# Altium PCB Inverter_540VDC.PcbDoc (part 1 of 2)
Units mm, origin at the board's own origin, x right, y up, seen from the top; angles counter-clockwise.
Board outline 400.26 x 240.24 mm, 2 copper layers (Top Layer, Bottom Layer), stack 2.071 mm thick; 193 components, 91 nets, 517 pads, 367 vias.
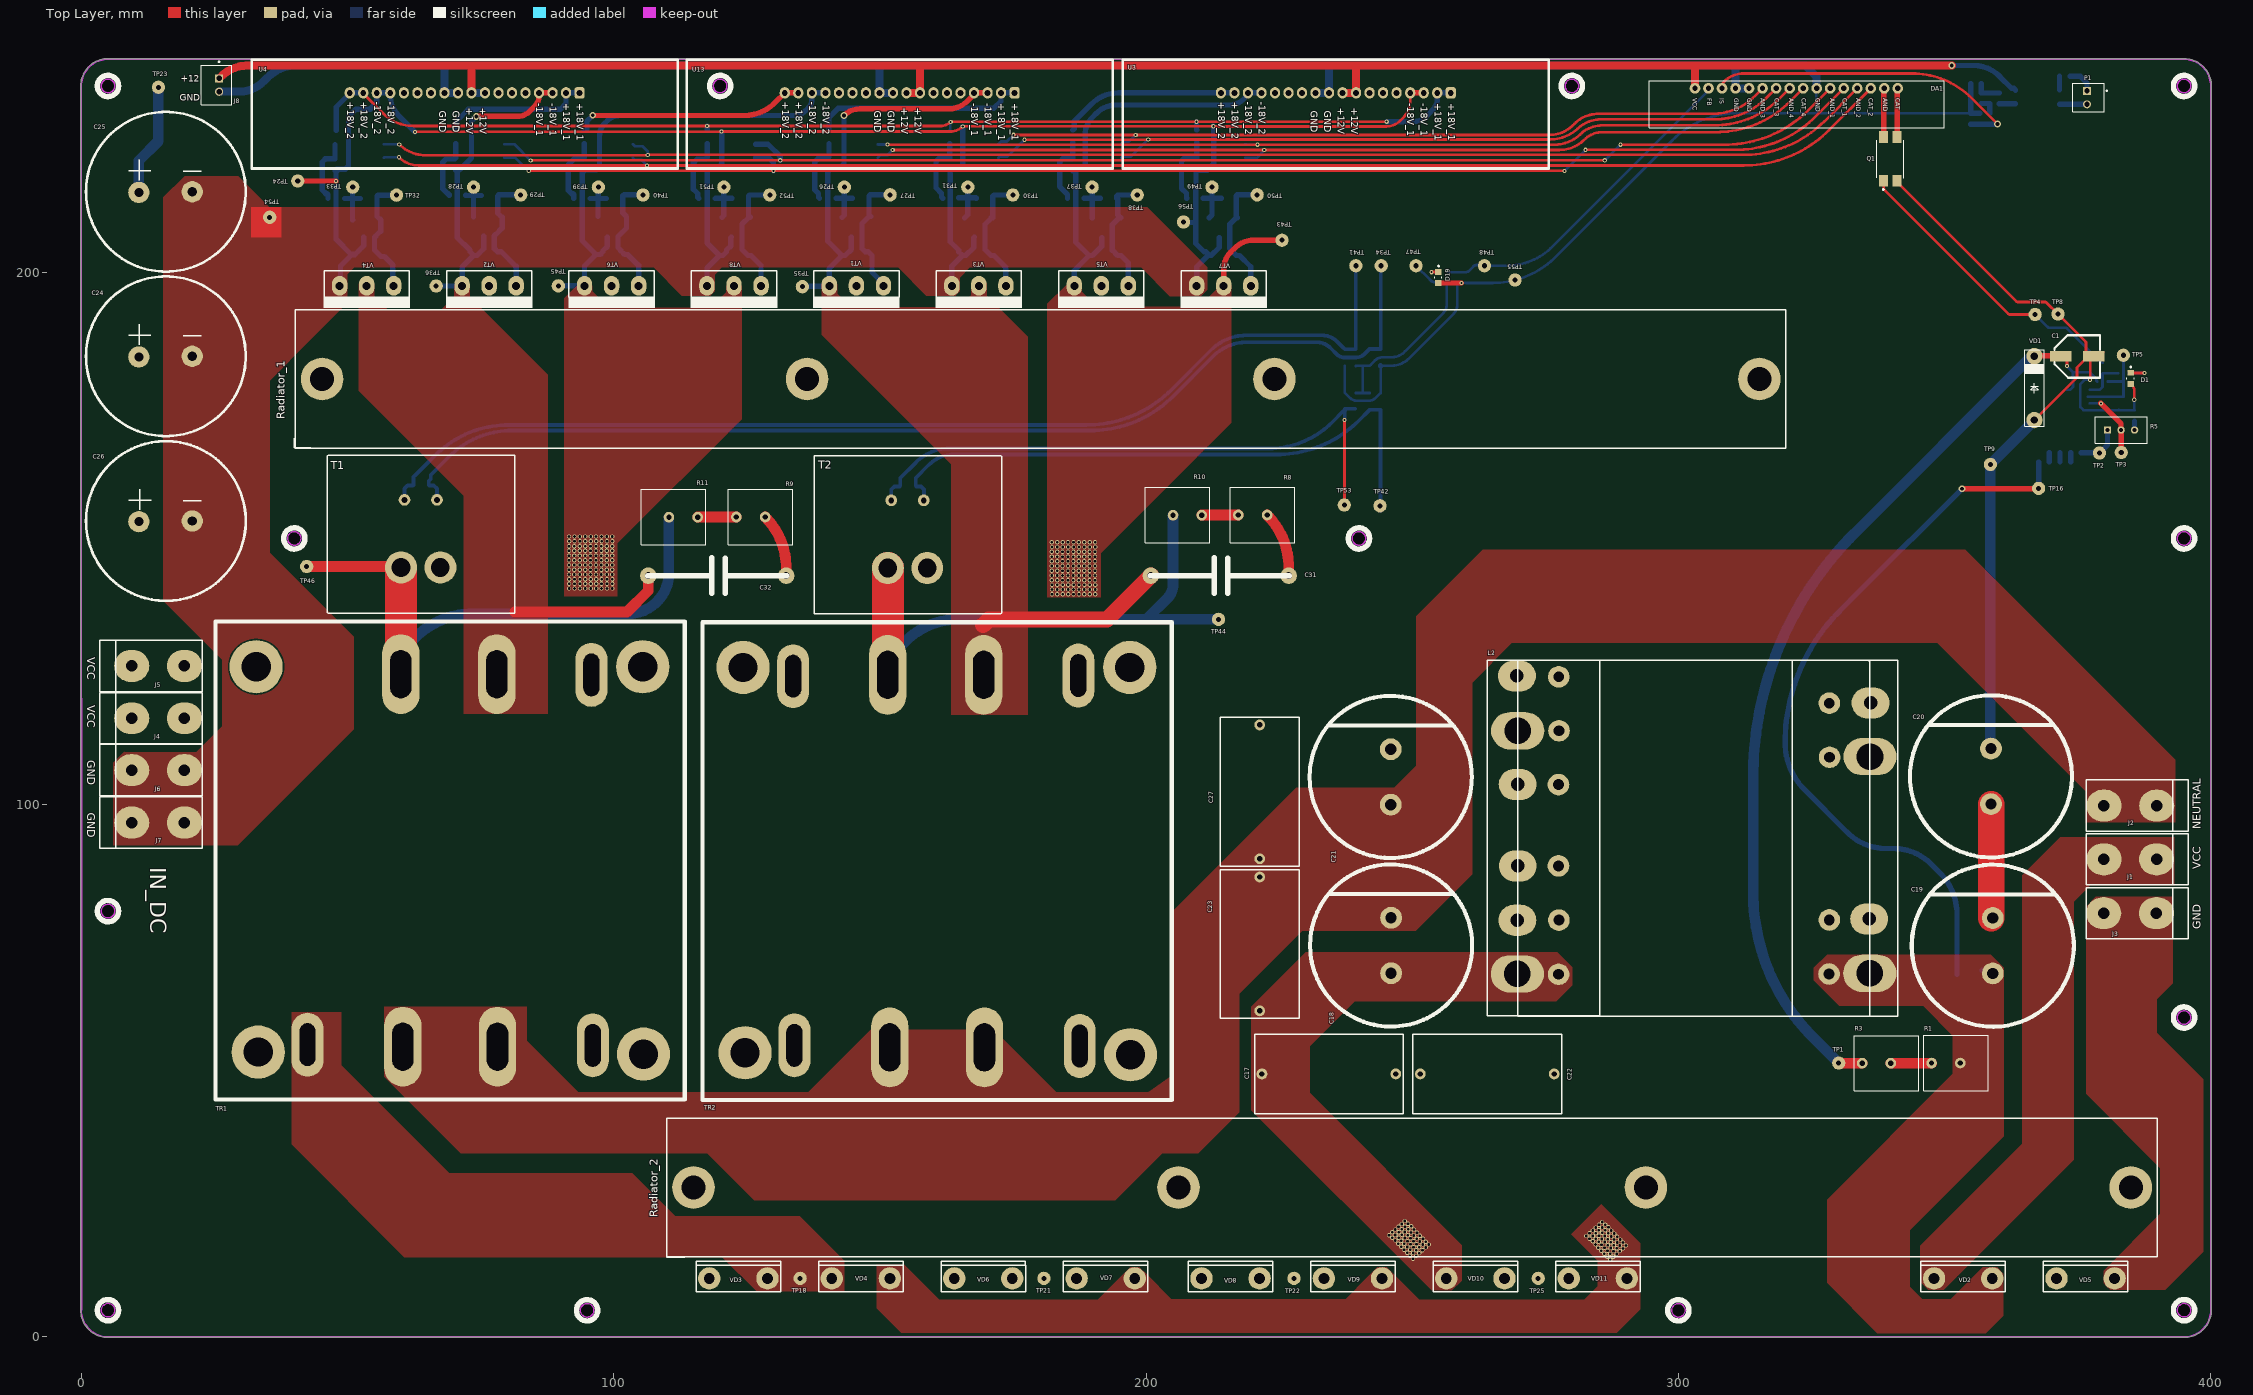
[diagram p0: Top Layer view]
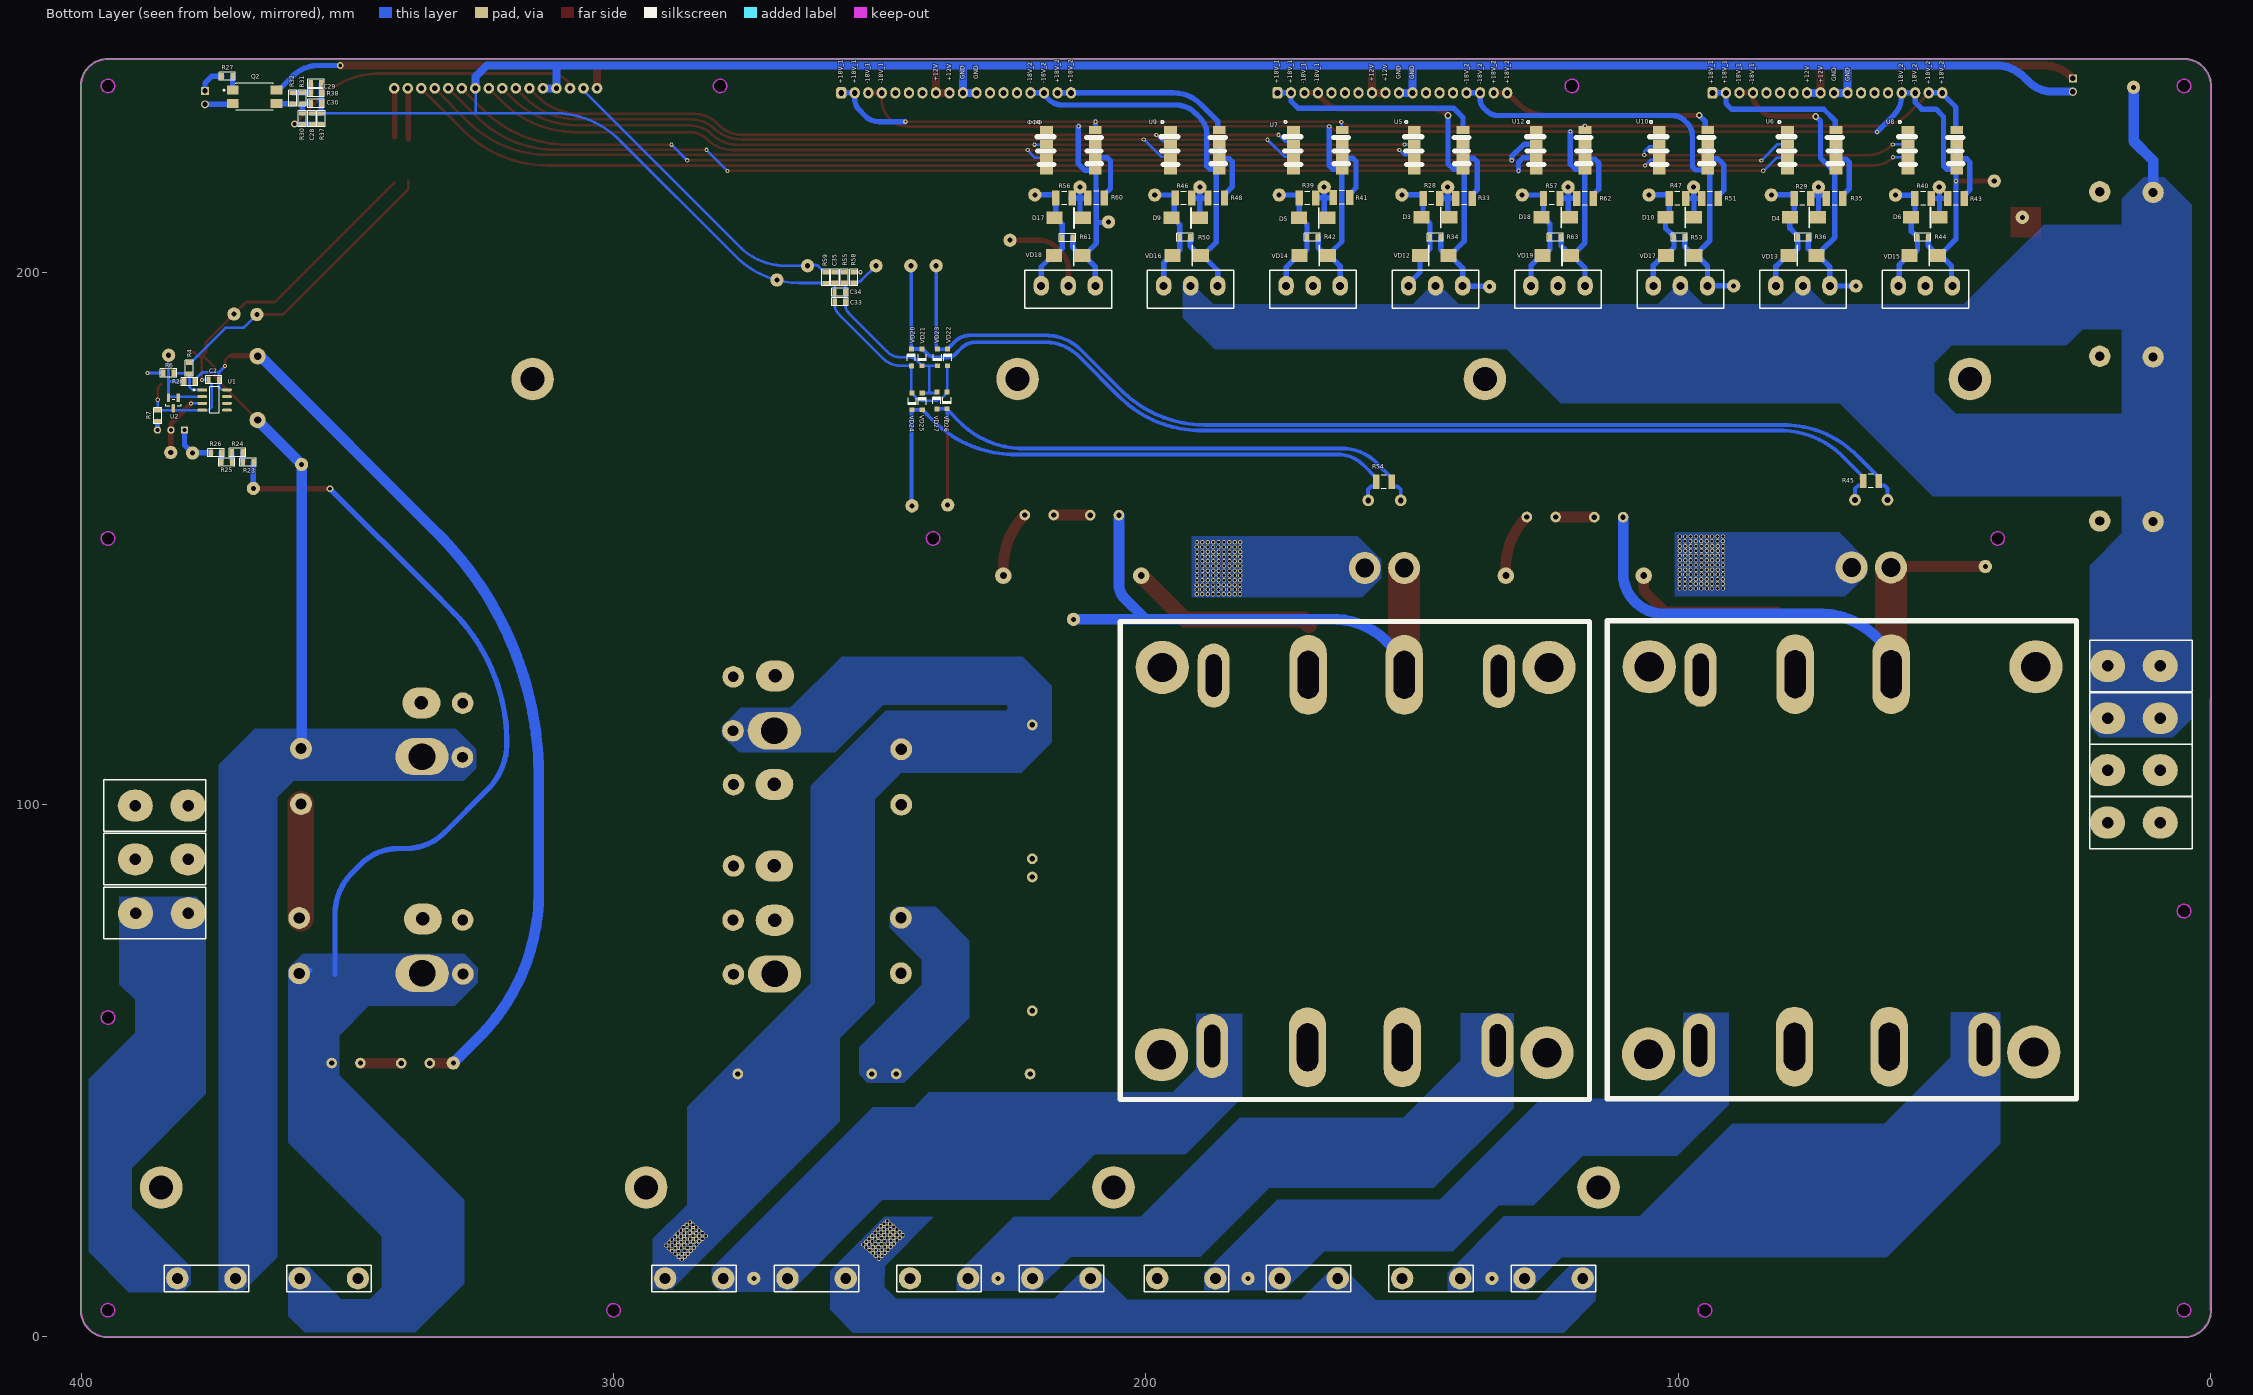
[diagram p1: Bottom Layer view, seen from below]
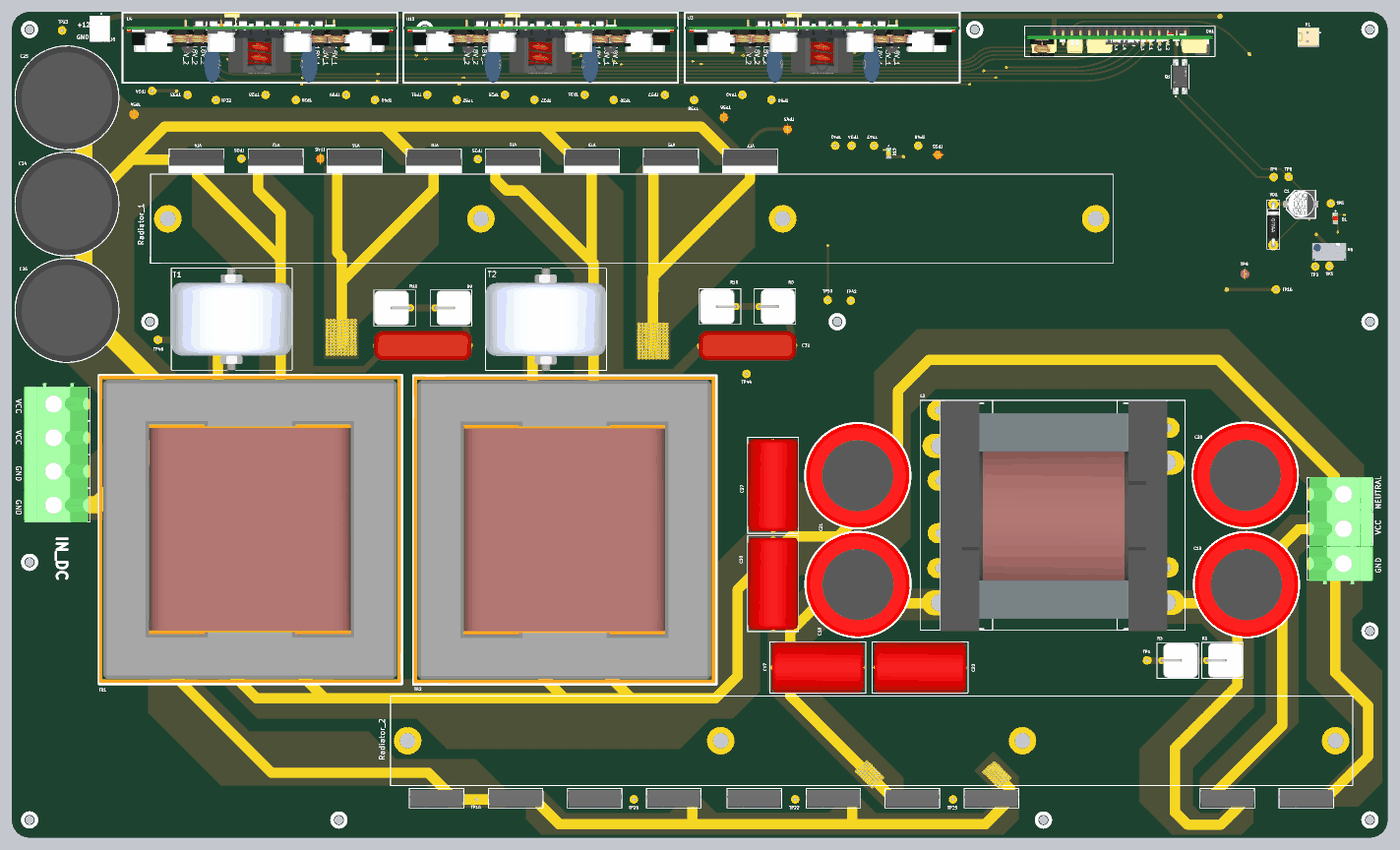
[diagram p3: 3D render of the assembled board from above, using the file's embedded part models]
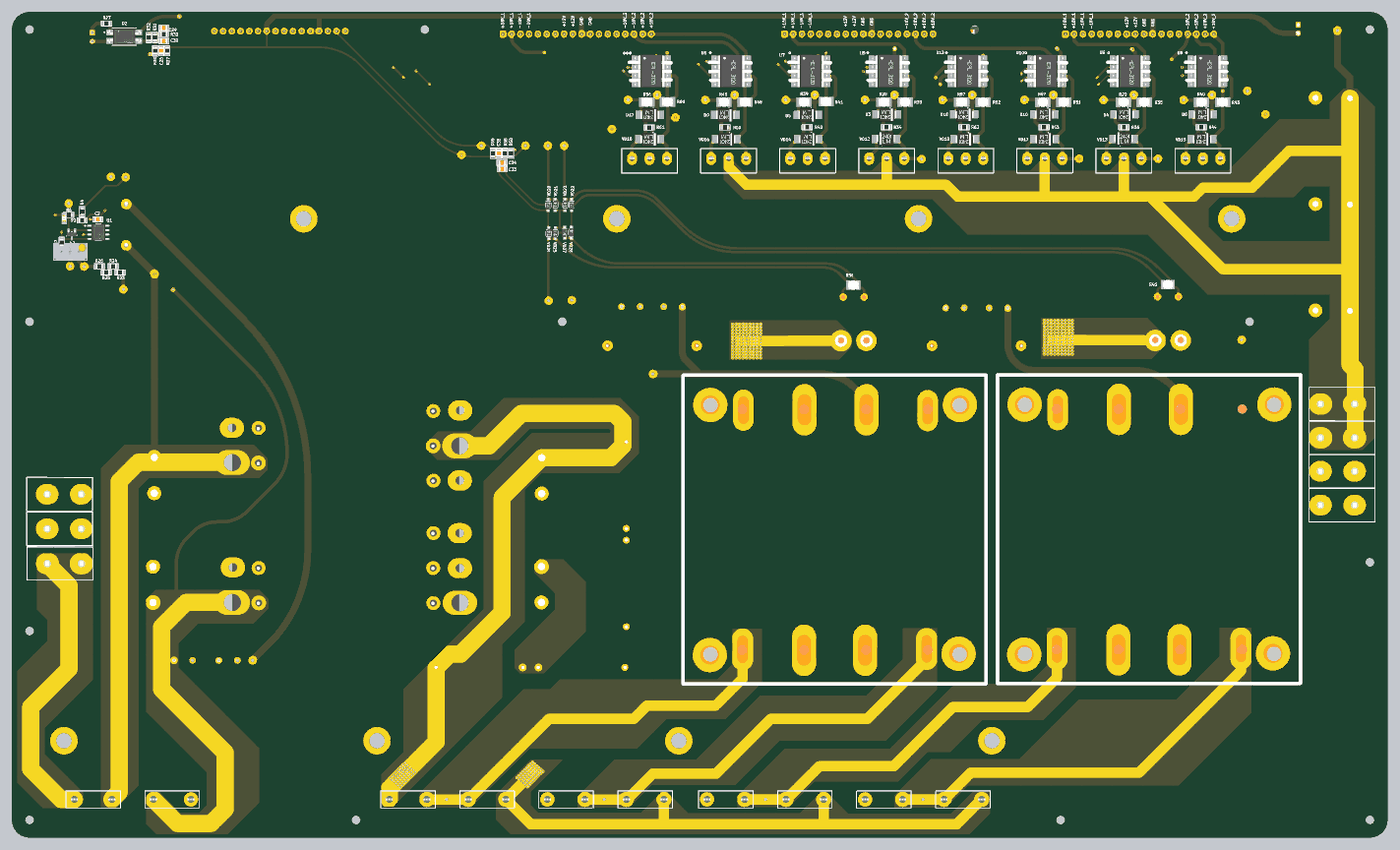
[diagram p4: 3D render of the assembled board from below, using the file's embedded part models]

## Layer stack, top to bottom
Top Solder: solder mask 0.0102, Solder Resist, Dk 3.5
Top Layer: signal copper 0.0356
Dielectric 1: dielectric 2, FR-4, Dk 4.8
Bottom Layer: signal copper 0.0356
Bottom Solder: solder mask 0.0102, Solder Resist, Dk 3.5

## Board outline
-0.125,5.022 ccw(c5.002,5.022) 5.002,-0.105 395,-0.105 ccw(c395,5.022) 400.127,5.022 400.127,5.055 400.127,234.996 400.127,235 ccw(c395,235) 395.028,240.127 395,240.13 5.002,240.127 ccw(c5.002,235) -0.125,235.044 -0.133,235
cut-out: 238.73,150 ccw(c240,150) 240,148.73 ccw(c240,150) 241.27,150 ccw(c240,150) 240,151.27 ccw(c240,150)
cut-out: 38.73,150 ccw(c40,150) 40,148.73 ccw(c40,150) 41.27,150 ccw(c40,150) 40,151.27 ccw(c40,150)
cut-out: 393.73,60 ccw(c395,60) 395,58.73 ccw(c395,60) 396.27,60 ccw(c395,60) 395,61.27 ccw(c395,60)
cut-out: 393.73,150 ccw(c395,150) 395,148.73 ccw(c395,150) 396.27,150 ccw(c395,150) 395,151.27 ccw(c395,150)
cut-out: 393.73,235 ccw(c395,235) 395,233.73 ccw(c395,235) 396.27,235 ccw(c395,235) 395,236.27 ccw(c395,235)
cut-out: 3.732,235 ccw(c5.002,235) 5.002,233.73 ccw(c5.002,235) 6.272,235 ccw(c5.002,235) 5.002,236.27 ccw(c5.002,235)
cut-out: 278.73,235 ccw(c280,235) 280,233.73 ccw(c280,235) 281.27,235 ccw(c280,235) 280,236.27 ccw(c280,235)
cut-out: 118.73,235 ccw(c120,235) 120,233.73 ccw(c120,235) 121.27,235 ccw(c120,235) 120,236.27 ccw(c120,235)
cut-out: 298.73,5 ccw(c300,5) 300,3.73 ccw(c300,5) 301.27,5 ccw(c300,5) 300,6.27 ccw(c300,5)
cut-out: 93.73,5 ccw(c95,5) 95,3.73 ccw(c95,5) 96.27,5 ccw(c95,5) 95,6.27 ccw(c95,5)
cut-out: 3.73,80 ccw(c5,80) 5,78.73 ccw(c5,80) 6.27,80 ccw(c5,80) 5,81.27 ccw(c5,80)
cut-out: 393.73,5.022 ccw(c395,5.022) 395,3.752 ccw(c395,5.022) 396.27,5.022 ccw(c395,5.022) 395,6.292 ccw(c395,5.022)
cut-out: 3.732,5.022 ccw(c5.002,5.022) 5.002,3.752 ccw(c5.002,5.022) 6.272,5.022 ccw(c5.002,5.022) 5.002,6.292 ccw(c5.002,5.022)

## Design rules (kind name [scope] priority, off if disabled: settings)
Clearance [All] p1: gap=0.254 ignorepadtopadclearanceinfootprint=TRUE except(0: THPad-Hole Via-Hole Fill-Hole Poly-Hole Region-Hole Text-Hole; 0.15: SMDPad-SMDPad SMDPad-THPad SMDPad-Via SMDPad-Fill SMDPad-Poly SMDPad-Region SMDPad-Text SMDPad-Hole; 0.2: Arc-Arc Arc-Track Arc-SMDPad Arc-THPad Arc-Via Arc-Fill Arc-Poly Arc-Region Arc-Text Arc-Hole Track-Track Track-SMDPad Track-THPad Track-Via Track-Fill Track-Poly Track-Region Track-Text Track-Hole Poly-Poly)
ComponentClearance [All] p1: gap=-5 collisioncheckmode=3 verticalgap=0.254 showdistances=FALSE
DiffPairsRouting [All] p1: maxlimit=5 minlimit=0.254 mostfreqgap=0.254 toplayer_minwidth=0.381 toplayer_maxwidth=0.381 toplayer_prefwidth=0.381 bottomlayer_minwidth=0.381 bottomlayer_maxwidth=0.381 bottomlayer_prefwidth=0.381 maxuncoupledlength=12.7
Height [All] p1: minheight=0 maxheight=150 prefheight=50
MinimumSolderMaskSliver [All] p1: minsoldermaskwidth=0.15
PlaneClearance [All] p1: clearance=0.7
PlaneConnect [All] p1: planeconnectstyle=Relief reliefexpansion=0.508 reliefentries=4 reliefconductorwidth=0.254 reliefairgap=0.5
PolygonConnect [All] p1: connectstyle=Relief reliefconductorwidth=0.254 reliefentries=4 polygonreliefangle="90 Angle" airgapwidth=0.5
RoutingVias [All] p1: holewidth=0.711 width=1.27 viastyle="Through Hole" minholewidth=0.711 minwidth=1.27 maxholewidth=0.711 maxwidth=1.27
SilkToSilkClearance [All] p1: silktosilkclearance=0.15
SilkToSolderMaskClearance [IsPad] p1: minsilkscreentomaskgap=0.15 clearancetoexposedcopper=TRUE
SolderMaskExpansion [All] p1: expansion=0.102 istentingtop=FALSE
Width [All] p1: maxlimit=7 minlimit=0.254 preferedwidth=2 minimp=50.000000 maximp=50.000000 favimp=50.000000
22 further rules are at their usual default settings.

## Components (designator, comment, footprint, x,y, rotation, side; value= is the part's Value field where it differs from the comment)
C1 "16V 330uF" CAP_SMD_Size_E 375.005,184.245 r180 top
C2 "0.1uF" CAP-0805 375.13,179.82 r180 bottom
C17 "3.3uF_630V" CAP_4.7uF_630V 234.35,49.4 r180 top
C18 "450V_330uF" CAP_450V_330uF 246.05,73.532 r0 top
C19 "500V_470uF" CAP_450V_330uF 359.075,73.493 r0 top locked
C20 "500V_470uF" CAP_450V_330uF 358.725,105.307 r0 top locked
C21 "450V_330uF" CAP_450V_330uF 245.975,105.192 r0 top locked
C22 "3.3uF_630V" CAP_4.7uF_630V 264.1,49.4 r180 top
C23 "3.3uF_630V" CAP_4.7uF_630V 221.35,73.825 r270 top
C24 "1000uF_50V" CAP_100V_1500uF 15.872,184.225 r0 top
C25 "1000uF_50V" CAP_100V_1500uF 15.872,215.125 r0 top
C26 "1000uF_50V" CAP_100V_1500uF 15.88,153.277 r0 top
C27 "3.3uF_630V" CAP_4.7uF_630V 221.35,102.398 r270 top
C28 "CAP-NON-POLAR" CAP-0805 356.675,228.85 r270 bottom
C29 "CAP-NON-POLAR" CAP-0805 355.925,235.475 r0 bottom
C30 "CAP-NON-POLAR" CAP-0805 355.925,231.7 r0 bottom
C31 "1.5uF_630V" CAP_1.5uf_400V 213.85,143 r180 top
C32 "1.5uF_630V" CAP_1.5uf_400V 119.45,143 r180 top locked
C33 "0.1uF" CAP-0805 257.475,194.45 r0 bottom
C34 "1uF" CAP-0805 257.5,196.25 r0 bottom
C35 "CAP-NON-POLAR" CAP-0805 258.425,199.025 r90 bottom
D1 "RED" LED_RED 384.955,180.07 r270 top
D3 "US1G" DO-214AA 143.325,210.325 r0 bottom
D4 "US1G" DO-214AA 74.097,210.325 r0 bottom
D5 "US1G" DO-214AA 166.297,210.225 r0 bottom
D6 "US1G" DO-214AA 51.35,210.325 r0 bottom
D9 "US1G" DO-214AA 190.272,210.225 r0 bottom
D10 "US1G" DO-214AA 97.447,210.325 r0 bottom
D17 "US1G" DO-214AA 212.247,210.225 r0 bottom
D18 "US1G" DO-214AA 120.725,210.325 r0 bottom
D19 "151031YS06000" LED_GREEN 254.925,199.025 r270 top
DA1 "PWM_Controller_Half_Bridge_ONLY_TL494" PWM_Controller_Half_Bridge_ONLY_TL494 322.225,233.25 r0 top
J1 "MG_136_HT" Conn_MEIGAN_MG136HT 387.316,89.725 r90 top locked
J2 "MG_136_HT" Conn_MEIGAN_MG136HT 387.323,99.802 r90 top locked
J3 "MG_136_HT" Conn_MEIGAN_MG136HT 387.275,79.6 r90 top locked
J4 "MG_136_HT" Conn_MEIGAN_MG136HT 12,116.225 r270 top locked
J5 "MG_136_HT" Conn_MEIGAN_MG136HT 12,126.05 r270 top locked
J6 "MG_136_HT" Conn_MEIGAN_MG136HT 12,106.475 r270 top locked
J7 "MG_136_HT" Conn_MEIGAN_MG136HT 12,96.625 r270 top locked
J8 "B2B-XH-A" B2B-XH-A 25.35,235.175 r270 top
L2 "ETD59" Drossel 305.525,95.15 r270 top locked
P1 "61900211121" 61900211121 377.075,232.825 r90 top
Q1 "PC817XNNIP0F" FP-PC817XNNIP0F-MFG 339.8,221.3 r90 top
Q2 "PC817XNNIP0F" FP-PC817XNNIP0F-MFG 367.45,232.95 r180 bottom
R1 "18K" RES_5W_VERT 352.975,51.45 r0 top
R2 "1K" RES-0805 379.68,179.47 r180 bottom
R3 "18K" RES_5W_VERT 339.925,51.425 r0 top
R4 "1K" RES-0805 379.705,181.995 r270 bottom
R5 "10K" RES_Adj_3296W_Bourns 383.165,170.37 r270 top
R6 "1K" RES-0805 383.63,181.07 r0 bottom
R7 "1K" RES-0805 385.68,173.07 r90 bottom
R8 "100" RES_5W_VERT 222.75,154.4 r0 top
R9 "100" RES_5W_VERT 128.45,154.025 r0 top
R10 "100" RES_5W_VERT 205.075,154.375 r180 top
R11 "100" RES_5W_VERT 110.375,154 r180 top
R23 "100K" RES-0805 368.68,164.345 r180 bottom
R24 "100K" RES-0805 370.68,166.145 r180 bottom
R25 "100K" RES-0805 372.705,164.345 r180 bottom
R26 "100K" RES-0805 374.705,166.12 r180 bottom
R27 "10K" RES-0805 372.6,236.8 r180 bottom
R28 "10E" RES_SMD_1210_IPC_A 146.4,213.9 r180 bottom
R29 "10E" RES_SMD_1210_IPC_A 76.675,213.875 r180 bottom
R30 "10K" RES-0805 358.475,228.825 r270 bottom
R31 "10K" RES-0805 358.5,232.7 r270 bottom
R32 "10K" RES-0805 360.3,232.675 r90 bottom
R33 "10E" RES_SMD_1210_IPC_A 140.225,213.9 r0 bottom
R34 "4.7K" RES-0805 145.65,206.575 r0 bottom
R35 "10E" RES_SMD_1210_IPC_A 70.65,213.875 r0 bottom
R36 "4.7K" RES-0805 76.575,206.575 r0 bottom
R37 "10K" RES-0805 354.939,228.85 r270 bottom
R38 "10K" RES-0805 355.925,233.7 r180 bottom
R39 "10E" RES_SMD_1210_IPC_A 169.675,213.925 r180 bottom
R40 "10E" RES_SMD_1210_IPC_A 54,213.875 r180 bottom
R41 "10E" RES_SMD_1210_IPC_A 163.249,214.026 r0 bottom
R42 "4.7K" RES-0805 168.75,206.575 r0 bottom
R43 "10E" RES_SMD_1210_IPC_A 47.875,213.875 r0 bottom
R44 "4.7K" RES-0805 54.075,206.575 r0 bottom
R45 "CRCW12100000Z0EA" FP-CRCW1210-e3-IPC_B 63.825,160.8 r0 bottom
R46 "10E" RES_SMD_1210_IPC_A 192.949,213.925 r180 bottom
R47 "10E" RES_SMD_1210_IPC_A 100.174,213.875 r180 bottom
R48 "10E" RES_SMD_1210_IPC_A 186.8,213.925 r0 bottom
R50 "4.7K" RES-0805 192.675,206.55 r0 bottom
R51 "10E" RES_SMD_1210_IPC_A 94.075,213.875 r0 bottom
R53 "4.7K" RES-0805 99.8,206.575 r0 bottom
R54 "CRCW12100000Z0EA" FP-CRCW1210-e3-IPC_B 155.3,160.625 r0 bottom
R55 "2K" RES-0805 256.675,199.025 r90 bottom
R56 "10E" RES_SMD_1210_IPC_A 215.375,213.925 r180 bottom
R57 "10E" RES_SMD_1210_IPC_A 123.775,213.9 r180 bottom
R58 "10K" RES-0805 254.925,199.025 r270 bottom
R59 "30K" RES-0805 260.175,199 r90 bottom
R60 "10E" RES_SMD_1210_IPC_A 209.348,213.939 r0 bottom
R61 "4.7K" RES-0805 214.75,206.5 r0 bottom
R62 "10E" RES_SMD_1210_IPC_A 117.55,213.875 r0 bottom
R63 "4.7K" RES-0805 123.1,206.575 r0 bottom
Radiator_1 "Radiator_26х92х280_ТО-264х12" Radiator_26х92х280_ТО-264х12 180.225,179.95 r180 top
Radiator_2 "Radiator_26х92х280_ТО-264х12" Radiator_26х92х280_ТО-264х12 250,28.075 r0 top locked
T1 "Current_SENS_VERT" Current_SENS_VERT 63.75,150.9 r270 top
T2 "Current_SENS_VERT" Current_SENS_VERT 155.2,150.8 r270 top
TP1 "Test_Point_PCB" Test_Point#1 330.125,51.45 r0 top
TP2 "Test_Point_PCB" Test_Point#1 379.105,166.045 r0 top
TP3 "Test_Point_PCB" Test_Point#1 383.205,166.145 r0 top
TP4 "Test_Point_PCB" Test_Point#1 367.025,192.075 r0 top
TP5 "Test_Point_PCB" Test_Point#1 383.605,184.42 r0 top
TP8 "Test_Point_PCB" Test_Point#1 371.325,192.15 r0 top
TP9 "Test_Point_PCB" Pin_Test_Point(Pink) 358.625,163.9 r0 top
TP16 "Test_Point_PCB" Test_Point#1 367.675,159.4 r90 top
TP18 "Test_Point_PCB" Test_Point#1 135.025,11 r90 top
TP21 "Test_Point_PCB" Test_Point#1 180.825,11 r90 top
TP22 "Test_Point_PCB" Test_Point#1 227.8,11 r90 top
TP23 "" Test_Point#1 14.475,234.75 r90 top
TP24 "Test_Point_PCB" Test_Point#1 40.65,217.15 r90 top
TP25 "Test_Point_PCB" Test_Point#1 273.675,11 r90 top
TP26 "Test_Point_PCB" Test_Point#2 143.325,216.475 r90 top
TP27 "Test_Point_PCB" Test_Point#3 151.925,214.75 r90 top
TP28 "Test_Point_PCB" Test_Point#4 73.675,216.55 r90 top
TP29 "Test_Point_PCB" Test_Point#5 82.531,214.55 r90 top
TP30 "Test_Point_PCB" Test_Point#6 174.975,214.15 r90 top
TP31 "Test_Point_PCB" Test_Point#7 166.525,216.425 r90 top
TP32 "Test_Point_PCB" Test_Point#1 59.2,214.5 r90 top
TP33 "Test_Point_PCB" Test_Point#8 50.975,216.4 r90 top
TP34 "Test_Point_PCB" Test_Point#9 244.175,201.275 r90 top
TP35 "Test_Point_PCB" Test_Point#1 135.45,197.3 r90 top
TP36 "Test_Point_PCB" Test_Point#1 66.65,197.425 r90 top
TP37 "Test_Point_PCB" Test_Point#10 189.875,216.35 r90 top
TP38 "Test_Point_PCB" Test_Point#1 198.35,214.525 r90 top
TP39 "Test_Point_PCB" Test_Point#11 97.125,216.45 r90 top
TP40 "Test_Point_PCB" Test_Point#12 105.51,214.775 r90 top